# Altium PCB Copy of drac_v3.PcbDoc (part 2 of 5)
Units mm, origin at the board's own origin, x right, y up, seen from the top; angles counter-clockwise.
Board outline 160 x 214.5 mm, 6 copper layers (Top Layer, Mid Layer 1, Mid Layer 2, Mid Layer 3, Mid Layer 4, Bottom Layer), stack 1.597 mm thick; 433 components, 257 nets, 1445 pads, 774 vias.
Unrouted connection lines stored in the file: 474.
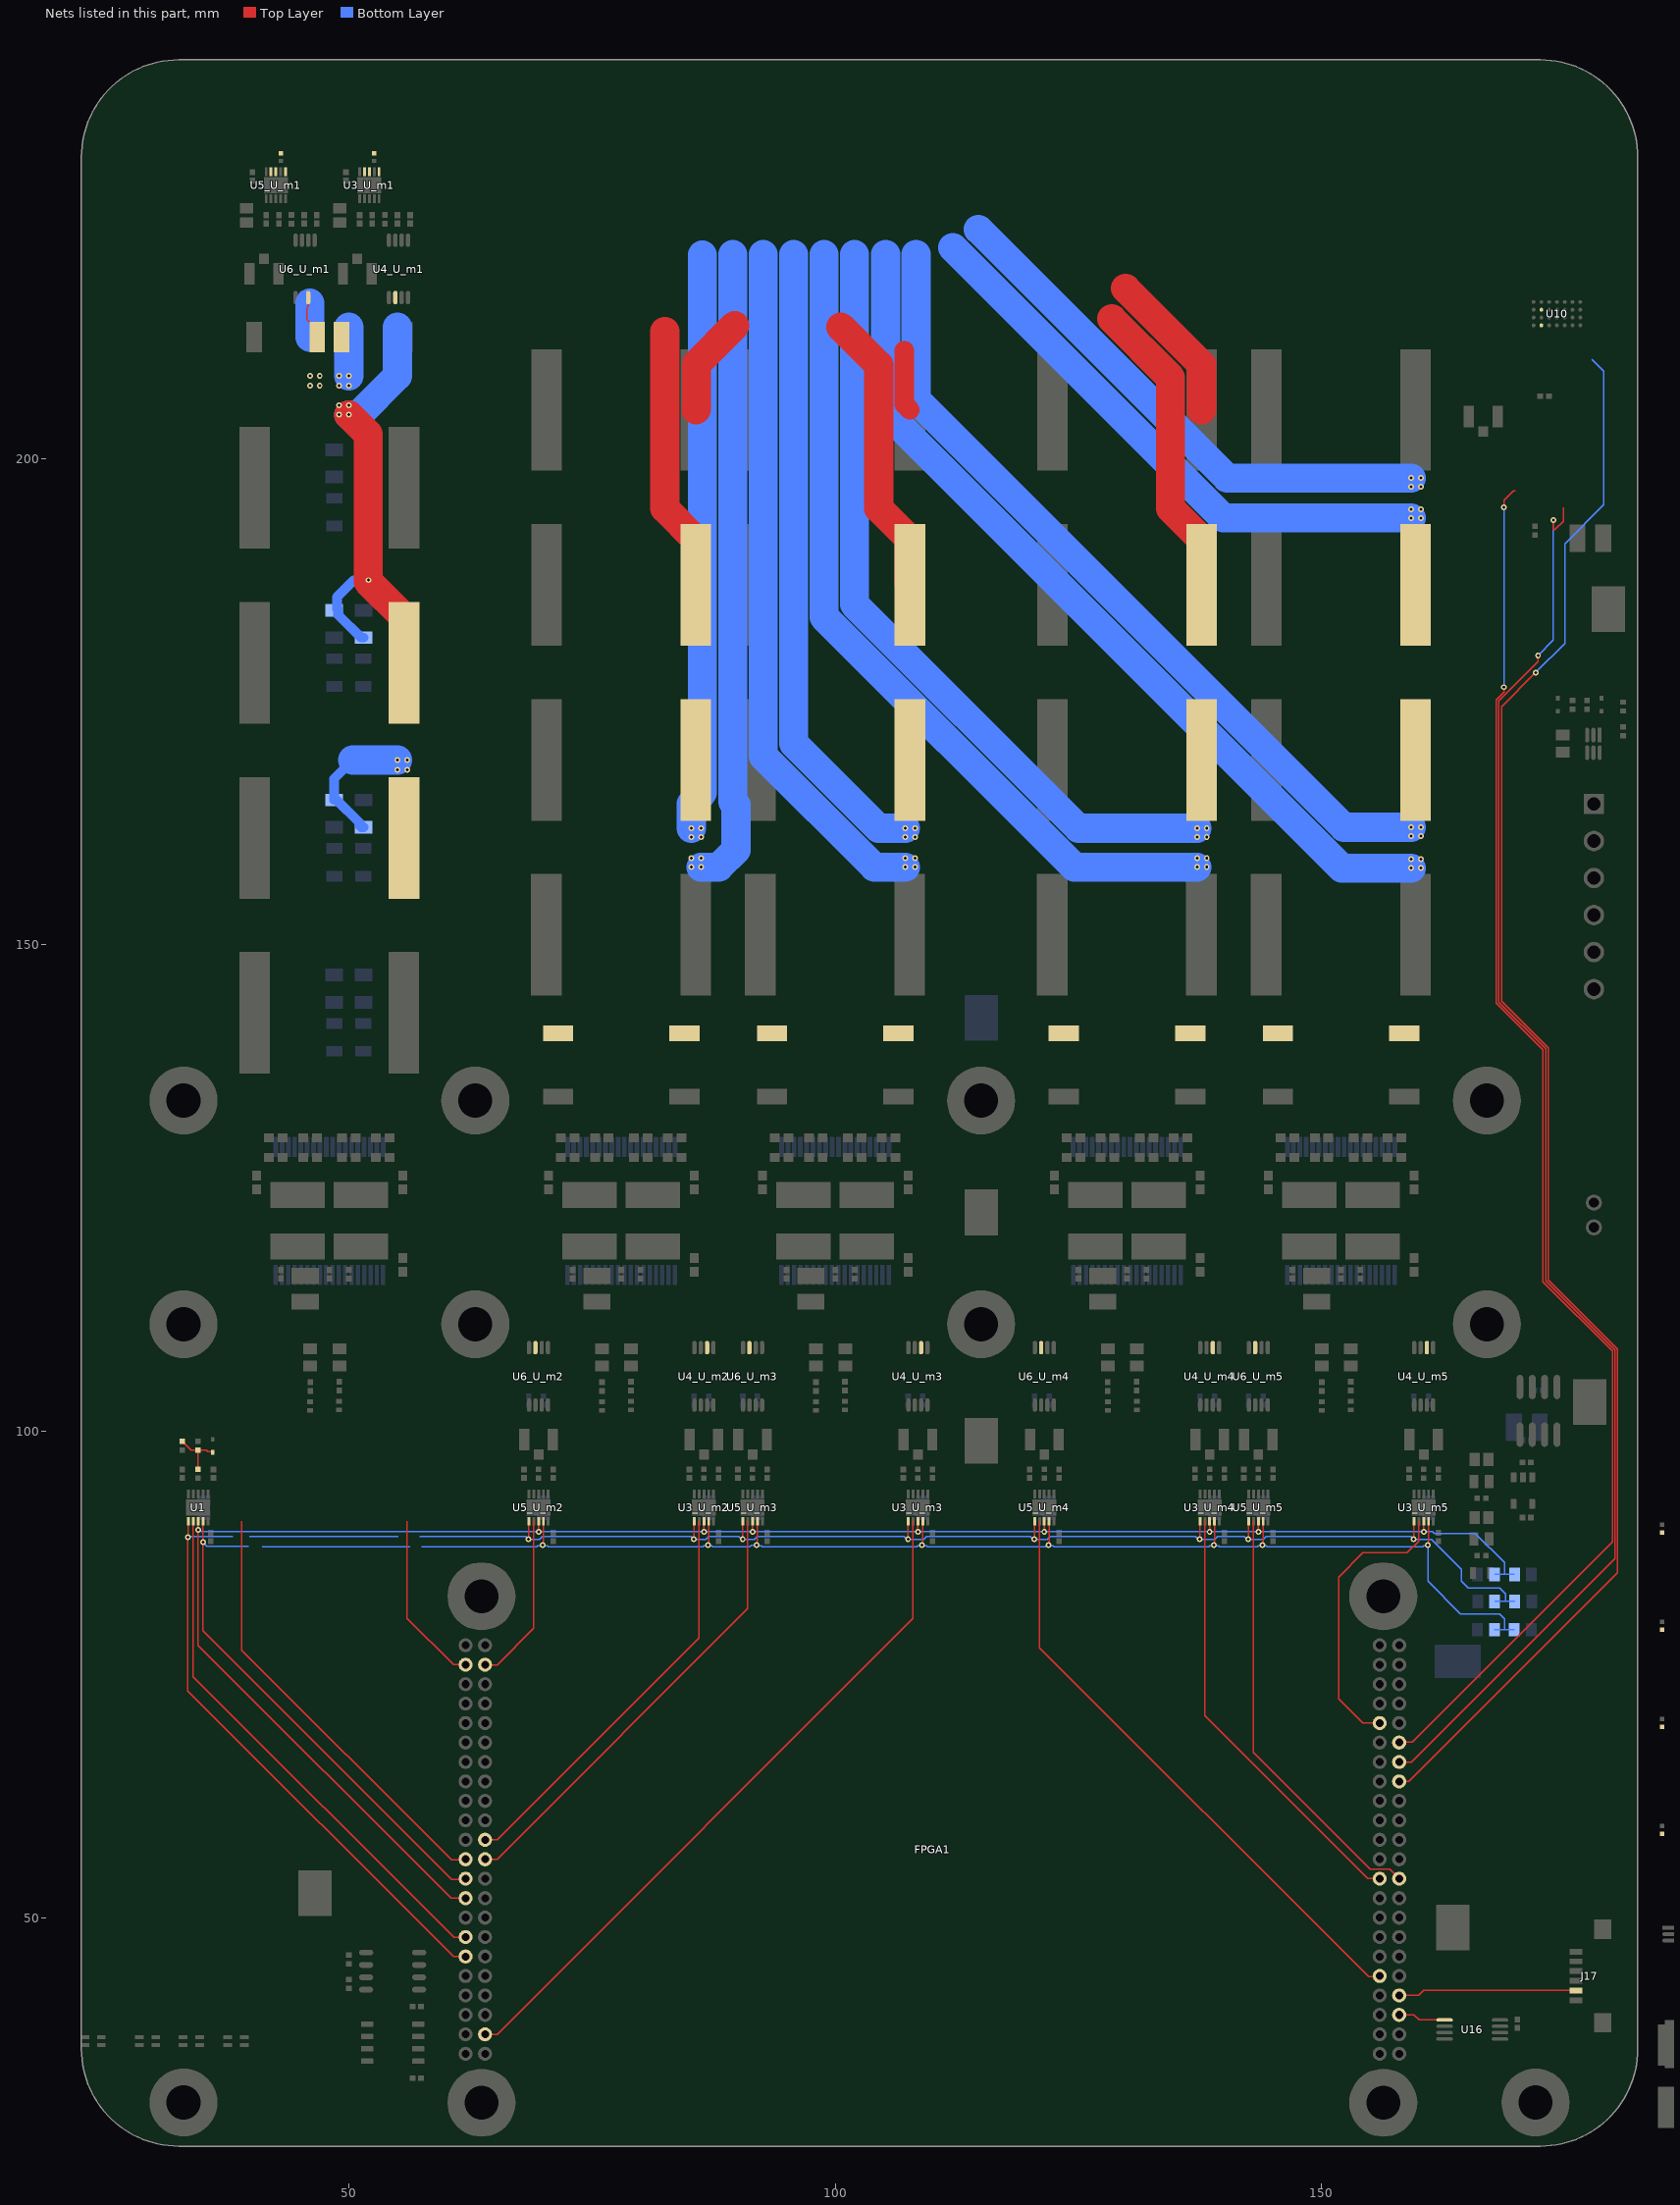
[diagram p4: the nets of this part, all layers, seen from the top]

## Footprints (in the part's own frame and the unit in brackets; to place one, negate y for a bottom-side part, rotate by r counter-clockwise, add the part's x,y. Pads: shape width x height; smd on the part's side, far side on the other; paste and mask are expansions set on the pad) (continued)
DKD0036A_N [mm] "SOP, 36-Leads, Body 16x11.1mm, Pitch 0.65mm, IPC Medium Density"
  rrect22% 2.05x0.45 smd: 1(-6.575,5.525) 2(-6.575,4.875) 3(-6.575,4.225) 4(-6.575,3.575) 5(-6.575,2.925) 6(-6.575,2.275) 7(-6.575,1.625) 8(-6.575,0.975) 9(-6.575,0.325) 10(-6.575,-0.325) 11(-6.575,-0.975) 12(-6.575,-1.625) 13(-6.575,-2.275) 14(-6.575,-2.925) 15(-6.575,-3.575) 16(-6.575,-4.225) 17(-6.575,-4.875) 18(-6.575,-5.525)
  rrect20% 2.05x0.5 smd: 19(6.575,-5.525) 20(6.575,-4.875) 21(6.575,-4.225) 22(6.575,-3.575) 23(6.575,-2.925) 24(6.575,-2.275) 25(6.575,-1.625) 26(6.575,-0.975) 27(6.575,-0.325) 28(6.575,0.325) 29(6.575,0.975) 30(6.575,1.625) 31(6.575,2.275) 32(6.575,2.925) 33(6.575,3.575) 34(6.575,4.225) 35(6.575,4.875) 36(6.575,5.525)
  silkscreen extent -6.7,-8 5.15,8, body extent -5.55,-8 5.55,8, height 3.6
FP-0154-MFG [mil]
  rect 167x150 smd paste+0 mask+0: 1(-125.5,0) 2(125.5,0)
  silkscreen extent -192,-99 192,99, body extent -213,-103 213,103, height 10
FP-BGA-28-05-08-1517-MFG [mm]
  round 0.4 smd paste+0 mask+0: A1(-1.2,2.4) A2(-0.4,2.4) A3(0.4,2.4) A4(1.2,2.4) B1(-1.2,1.6) B2(-0.4,1.6) B3(0.4,1.6) B4(1.2,1.6) C1(-1.2,0.8) C2(-0.4,0.8) C3(0.4,0.8) C4(1.2,0.8) D1(-1.2,0) D2(-0.4,0) D3(0.4,0) D4(1.2,0) E1(-1.2,-0.8) E2(-0.4,-0.8) E3(0.4,-0.8) E4(1.2,-0.8) F1(-1.2,-1.6) F2(-0.4,-1.6) F3(0.4,-1.6) F4(1.2,-1.6) G1(-1.2,-2.4) G2(-0.4,-2.4) G3(0.4,-2.4) G4(1.2,-2.4)
  silkscreen extent -3.15,-3.2 2.07,3.2, body extent -2.58,-3.7 2.58,3.7, height 0.25
FP-BLM21-0_2-t0_85-e0_5-MFG [mm]
  rect 0.6x1.25 smd paste+0 mask+0: 1(-0.9,0) 2(0.9,0)
  silkscreen extent -0.23,-0.72 0.23,0.72, body extent -1.3,-0.82 1.3,0.82, height 0.25
FP-CL21-IPC_C [mm]
  rect 1.055x1.356 smd paste+0 mask+0: 1(-0.726,0) 2(0.726,0)
  silkscreen extent -1.25,-1.12 1.25,1.12, body extent -1,-0.62 1,0.63, height 1.45
FP-CL32-IPC_B [mm]
  rect 1.653x2.804 smd paste+0 mask+0: 1(-1.325,0) 2(1.325,0)
  silkscreen extent -0.2,-1.4 0.2,1.4, body extent -2.4,-1.65 2.4,1.65, height 0.25
FP-CRCW0402-e3-IPC_B [mm]
  rect 0.568x0.572 smd paste+0 mask+0: 1(-0.452,0) 2(0.452,0)
  body extent -0.89,-0.44 0.89,0.44, height 0.25
FP-CRCW0805-HPe3-IPC_B [mm]
  rect 1.106x1.408 smd paste+0 mask+0: 1(-0.876,0) 2(0.876,0)
  body extent -1.68,-0.95 1.68,0.95, height 0.25
FP-G6K-2G_DC5-MFG [mm]
  rect 0.8x1.8 smd paste+0 mask+0: 1(-3.81,-2.85) 2(-1.27,-2.85) 3(1.27,-2.85) 4(3.81,-2.85) 5(3.81,2.85) 6(1.27,2.85) 7(-1.27,2.85) 8(-3.81,2.85)
  silkscreen extent -5.82,-3.35 5.1,3.35, body extent -5.2,-3.85 5.2,3.85, height 0.25
FP-GRM155-0_05-IPC_B [mm]
  rect 0.615x0.572 smd paste+0 mask+0: 1(-0.429,0) 2(0.429,0)
  body extent -0.89,-0.44 0.89,0.44, height 0.25
FP-GRM188-0_1-e0_2_0_55-IPC_B [mm]
  rect 1.008x0.912 smd paste+0 mask+0: 1(-0.702,0) 2(0.702,0)
  body extent -1.46,-0.71 1.46,0.71, height 0.25
FP-KRM55W-6_1_5_3_6_7_1_2-MFG [mm]
  rect 2.7x5.6 smd paste+0 mask+0: 1(-2.65,0) 2(2.65,0)
  silkscreen extent -0.92,-2.75 0.92,2.75, body extent -4.1,-2.9 4.1,2.9, height 0.25
FP-LTST-S270KGKT-MFG [mm]
  rect 1.1x1.1 smd paste+0 mask+0: 1(-1,-0.235) 2(1,-0.235)
  silkscreen extent -2.25,-0.63 0.87,0.77, body extent -0.82,-0.49 0.82,0.66, height 0.6
FP-SOT363-IPC_A [mm]
  rect 1.51x0.412 smd paste+0 mask+0: 1(-0.901,0.65)
  rrect100% 1.51x0.412 smd paste+0 mask+0: 2(-0.901,0) 3(-0.901,-0.65) 4(0.901,-0.65) 5(0.901,0) 6(0.901,0.65)
  silkscreen extent -2.78,-1.33 1.05,1.33, body extent -2.16,-1.58 2.16,1.58, height 0.25
FPGA-dummy [mil]
  round 57 / inner round 52 / far side round 57 hole 32: 1(14.37,1851.77) 2(-64.37,1851.77) 3(14.37,1773.03) 4(-64.37,1773.03) 5(14.37,1694.29) 6(-64.37,1694.29) 7(14.37,1615.55) 8(-64.37,1615.55) 9(14.37,1536.81) 10(-64.37,1536.81) 11(14.37,1458.07) 12(-64.37,1458.07) 13(14.37,1379.33) 14(-64.37,1379.33) 15(14.37,1300.59) 16(-64.37,1300.59) 17(14.37,1221.85) 18(-64.37,1221.85) 19(14.37,1143.11) 20(-64.37,1143.11) 21(14.37,1064.37) 22(-64.37,1064.37) 23(14.37,985.63) 24(-64.37,985.63) 25(14.37,906.89) 26(-64.37,906.89) 27(14.37,828.15) 28(-64.37,828.15) 29(14.37,749.41) 30(-64.37,749.41) 31(14.37,670.67) 32(-64.37,670.67) 33(14.37,591.93) 34(-64.37,591.93) 35(14.37,513.19) 36(-64.37,513.19) 37(14.37,434.45) 38(-64.37,434.45) 39(14.37,355.71) 40(-64.37,355.71) 41(14.37,276.97) 42(-64.37,276.97) 43(14.37,198.23) 44(-64.37,198.23) 45(3714.37,1851.77) 46(3635.63,1851.77) 47(3714.37,1773.03) 48(3635.63,1773.03) 49(3714.37,1694.29) 50(3635.63,1694.29) 51(3714.37,1615.55) 52(3635.63,1615.55) 53(3714.37,1536.81) 54(3635.63,1536.81) 55(3714.37,1458.07) 56(3635.63,1458.07) 57(3714.37,1379.33) 58(3635.63,1379.33) 59(3714.37,1300.59) 60(3635.63,1300.59) 61(3714.37,1221.85) 62(3635.63,1221.85) 63(3714.37,1143.11) 64(3635.63,1143.11) 65(3714.37,1064.37) 66(3635.63,1064.37) 67(3714.37,985.63) 68(3635.63,985.63) 69(3714.37,906.89) 70(3635.63,906.89) 71(3714.37,828.15) 72(3635.63,828.15) 73(3714.37,749.41) 74(3635.63,749.41) 75(3714.37,670.67) 76(3635.63,670.67) 77(3714.37,591.93) 78(3635.63,591.93) 79(3714.37,513.19) 80(3635.63,513.19) 81(3714.37,434.45) 82(3635.63,434.45) 83(3714.37,355.71) 84(3635.63,355.71) 85(3714.37,276.97) 86(3635.63,276.97) 87(3714.37,198.23) 88(3635.63,198.23)
  silkscreen extent -95,316 3754,1891, body extent -104,158 3753,1891, height 236
HDR-2x1-100 [mil]
  round 65 / inner round 60 / far side round 75 hole 40: 1(-50,0) 2(50,0)
  silkscreen extent -100,-115 100,115
MOLX-22-23-2031_V [mm] "CONN, 3-Leads, Body 7.62x6.35mm, Pitch 2.54mm"
  rect 1.55x1.55 hole 1.05: 1(-2.54,0)
  round 1.55 hole 1.05: 2(0,0) 3(2.54,0)
  silkscreen extent -4.58,-3.17 3.81,3.17, body extent -3.73,-3.25 3.73,3.1, height 10.67
MURA-IND0805_H_0.55_L [mm] "Chip Inductor, 2-Leads, Body 2.2x1.45mm, IPC High Density"
  rect 0.93x1.37 smd: 1(-0.785,0) 2(0.785,0)
  body extent -1.1,-0.72 1.1,0.72, height 0.55
ONSC-SMC-2-403-03_V [mil] "Molded, 2-Leads, Body 6.86x5.84mm"
  rect 110x150 smd: 1(-140.49,0) 2(140.49,0)
  silkscreen extent -222,-115 135,115, body extent -135,-115 135,115, height 99
ONSC-SOD-523-2-502-01_V [mm] "SOD, 2-Leads, Body 1.2x0.8mm"
  rect 0.48x0.4 smd: 1(-0.66,0) 2(0.66,0)
  silkscreen extent -0.75,-0.4 0.07,0.65, body extent -0.6,-0.4 0.6,0.4, height 0.7
PW0008A_N [mm]
  oval 1.4x0.45 smd: 1(-2.95,0.975) 2(-2.95,0.325) 3(-2.95,-0.325) 4(-2.95,-0.975) 5(2.95,-0.975) 6(2.95,-0.325) 7(2.95,0.325) 8(2.95,0.975)
  silkscreen extent -3.07,-1.55 1.85,1.87, body extent -3.23,-1.5 3.23,1.5, height 1.2
RESC1005X40X25LL05T05 [mm] "Chip Resistor, 2-Leads, Body 1.00x0.50mm, IPC High Density"
  rect 0.45x0.45 smd: 1(-0.4,0) 2(0.4,0)
  body extent -0.53,-0.27 0.53,0.28, height 0.4
RESC3216X70X50NL05T20 [mm] "Chip Resistor, 2-Leads, Body 3.20x1.60mm, IPC Medium Density"
  rect 1.1x1.65 smd: 1(-1.425,0) 2(1.425,0)
  silkscreen extent -0.5,-0.72 0.5,0.72, body extent -1.63,-0.82 1.62,0.82, height 0.7
ROHM-SML-P11MT_V [mm] "SMD, 2-Leads, Body 0.6x1mm"
  rect 0.5x0.6 smd: 1(-0.45,0) 2(0.45,0)
  silkscreen extent 1.2,-0.3 1.2,0.3, body extent -0.5,-0.3 0.5,0.3, height 0.25
SOIC127P600X175-8N [mm]
  oval 1.45x0.6 smd: 1(-2.725,1.905) 2(-2.725,0.635) 3(-2.725,-0.635) 4(-2.725,-1.905) 5(2.725,-1.905) 6(2.725,-0.635) 7(2.725,0.635) 8(2.725,1.905)
  silkscreen extent -2.85,-2.5 1.6,2.88, body extent -2,-2.5 2,2.5, height 1.75
SRP1770TA [mm] "Precision Wire Wound Inductor, 2-Leads, Body 16.90x16.90mm, IPC Medium Density"
  rect 3.15x12.5 smd: 1(-7.675,0) 2(7.675,0)
  silkscreen extent -8.45,-8.45 8.45,8.45, body extent -8.45,-8.45 8.45,8.45, height 7
"STACKPOLE CSR2512" [mm] "Chip Resistor, 2-Leads, Body 6.40x3.20mm, IPC Medium Density"
  rect 1.6x3.1 smd: 1(-3.25,0) 2(3.25,0)
  silkscreen extent -4.3,-1.8 4.3,1.8, body extent -3.27,-1.6 3.28,1.6, height 0.5
TECO-1909763-1_V [mm] "SMD, 3-Leads, Body 2.6x2.6mm, Height 1.25mm"
  rect 1.05x2.2 smd: 1(-1.475,0) 3(1.475,0)
  rect 1x1.05 smd: 2(0,-1.525)
  silkscreen extent -1.9,-1.77 0.55,1.3, body extent -1.5,-1.55 1.5,1.55, height 1.23
Testpoint_Keystone_Compact [mil]
  rect 185x135 smd: 1(0,0)
  silkscreen extent -110,-80 110,80, body extent -75,-56 75,56, height 91
TSSOP-ST8_N [mm] "TSOP, 8-Leads, Body 3x4.4mm, Pitch 0.65mm, IPC Medium Density"
  oval 1.7x0.35 smd: 1(-2.85,0.975) 2(-2.85,0.325) 3(-2.85,-0.325) 4(-2.85,-0.975) 5(2.85,-0.975) 6(2.85,-0.325) 7(2.85,0.325) 8(2.85,0.975)
  silkscreen extent -2.97,-1.55 1.6,1.82, body extent -2.25,-1.55 2.25,1.55, height 1.2
VISH-DO-214AC-2_L [mm] "DO-214AC, 2-Leads, Body 4.5x2.79mm, IPC High Density"
  rect 2.05x1.45 smd: 1(-1.425,0) 2(1.425,0)
  silkscreen extent -3.12,-1.4 2.25,1.4, body extent -2.25,-1.4 2.25,1.4, height 2.29
WE-CNSW-0805 [mm] "SMD Inductor, 4-Leads, Body 1.4 x 2.2 mm"
  rect 0.9x0.4 smd: 1(-0.85,0.4) 2(0.85,0.4) 3(0.85,-0.4) 4(-0.85,-0.4)
  body extent -1,-0.6 1,0.6, height 1.18

## Part data
C1 C2 C3 C9_U_m1 C9_U_m2 C9_U_m3 C9_U_m4 C9_U_m5 C10_U_m1 C10_U_m2 C10_U_m3 C10_U_m4 C10_U_m5 C11_U_m1 C11_U_m2 C11_U_m3 C11_U_m4 C11_U_m5 C12_U_m1 C12_U_m2 C12_U_m3 C12_U_m4 C12_U_m5 C13_U_m1 C13_U_m2 C13_U_m3 C13_U_m4 C13_U_m5 C19_U_m1 C19_U_m2 C19_U_m3 C19_U_m4 C19_U_m5 C20_U_m1 C20_U_m2 C20_U_m3 C20_U_m4 C20_U_m5 C29_U_m1 C29_U_m2 C29_U_m3 C29_U_m4 C29_U_m5 C30_U_m1 C30_U_m2 C30_U_m3 C30_U_m4 C30_U_m5 C31_U_m1 C31_U_m2 C31_U_m3 C31_U_m4 C31_U_m5 C32_U_m1 C32_U_m2 C32_U_m3 C32_U_m4 C32_U_m5 C34_U_m1 C34_U_m2 C34_U_m3 C34_U_m4 C34_U_m5 C35 C36 C53: library part 04023C104KAT2A, "CAP CER 0.1UF 25V X7R 0402", Device Package="0402 (1005 Metric)", Manufacturer="AVX Corporation", Operating Temperature="-55°C ~ 125°C", Supplier Part Number 1=478-7868-1-ND, Temperature Coefficient=X7R, Tolerance=±10%, Voltage - Rated=25V, Applications="General Purpose", Capacitance=0.1µF, ComponentLink1Description=Datasheet, ComponentLink1URL=http://datasheets.avx.com/X7RDielectric.pdf, ComponentLink2Description="DigiKey Link", ComponentLink2URL=http://digikey.com/product-detail/en/avx-corporation/04023C104KAT2A/478-7868-1-ND/3881491, LastUpdated="9/2/2020 1:02:21 AM", Lifecycle Status=Active, Minimum Order=1, Mounting Type="Surface Mount, MLCC", Package / Case="0402 (1005 Metric)", Packaging=CutTape, Part Number=04023C104KAT2A, Part Status=Active, PartId=3190, Price=0.13, Series=-, Size / Dimension="0.039\" L x 0.020\" W (1.00mm x 0.50mm)", Supplier 1=DigiKey, Thickness (Max)="0.022\" (0.55mm)"
C4 C14_U_m1 C14_U_m2 C14_U_m3 C14_U_m4 C14_U_m5 C33_U_m1 C33_U_m2 C33_U_m3 C33_U_m4 C33_U_m5 C37 C38: library part CMP-13271-001427-1, "CL21 Series 0805 10uF 6.3V ±10% Tolerance X7R Multilayer Ceramic Chip Capacitor", Capacitance=10uF, Case Code (Imperial)=0805, Case Code (Metric)=2012, Dielectric=X7R, Max Operating Temperature=125°C, Min Operating Temperature=-55°C, Package Quantity=3000, Tolerance=10%, Voltage=6.3V, Case/Package=0805, Depth=1.25mm, Height=1.25mm, Lead Free="Lead Free", Length=2mm, Mount="Surface Mount", Packaging="Tape and Reel", Thickness=0.055inch, Voltage Rating=6.3V, Width=0.049inch
C5_U_m1 C5_U_m2 C5_U_m3 C5_U_m4 C5_U_m5 C6_U_m1 C6_U_m2 C6_U_m3 C6_U_m4 C6_U_m5 C7_U_m1 C7_U_m2 C7_U_m3 C7_U_m4 C7_U_m5 C8_U_m1 C8_U_m2 C8_U_m3 C8_U_m4 C8_U_m5 C21_U_m1 C21_U_m2 C21_U_m3 C21_U_m4 C21_U_m5 C22_U_m1 C22_U_m2 C22_U_m3 C22_U_m4 C22_U_m5 C23_U_m1 C23_U_m2 C23_U_m3 C23_U_m4 C23_U_m5 C24_U_m1 C24_U_m2 C24_U_m3 C24_U_m4 C24_U_m5: library part 06031C104KAT2A, "CAP CER 0.1UF 100V X7R 0603", Device Package="0603 (1608 Metric)", Manufacturer="AVX Corporation", Operating Temperature="-55°C ~ 125°C", Supplier Part Number 1=478-10047-1-ND, Temperature Coefficient=X7R, Tolerance=±10%, Voltage - Rated=100V, Applications="General Purpose", Capacitance=0.1µF, ComponentLink1Description=Datasheet, ComponentLink1URL=http://datasheets.avx.com/X7RDielectric.pdf, ComponentLink2Description="DigiKey Link", ComponentLink2URL=http://digikey.com/product-detail/en/avx-corporation/06031C104KAT2A/478-10047-1-ND/6564270, LastUpdated="9/2/2020 1:03:14 AM", Lifecycle Status=Active, Minimum Order=1, Mounting Type="Surface Mount, MLCC", Package / Case="0603 (1608 Metric)", Packaging=TapeAndReel, Part Number=06031C104KAT2A, Part Status=Active, PartId=14077, Price=0.03, Series=-, Size / Dimension="0.063\" L x 0.032\" W (1.60mm x 0.81mm)", Supplier 1=DigiKey, Thickness (Max)="0.037\" (0.94mm)"
C15_U_m1 C15_U_m2 C15_U_m3 C15_U_m4 C15_U_m5 C16_U_m1 C16_U_m2 C16_U_m3 C16_U_m4 C16_U_m5 C17_U_m1 C17_U_m2 C17_U_m3 C17_U_m4 C17_U_m5: library part TMK107B7105KA-T, "CAP CER 1UF 25V X7R 0603", Device Package="0603 (1608 Metric)", Manufacturer="Taiyo Yuden", Operating Temperature="-55°C ~ 125°C", Supplier Part Number 1=587-2984-1-ND, Temperature Coefficient=X7R, Tolerance=±10%, Voltage - Rated=25V, Applications="General Purpose", Capacitance=1µF, ComponentLink1Description=Datasheet, ComponentLink1URL=https://www.yuden.co.jp/productdata/catalog/mlcc01_e.pdf, ComponentLink2Description="DigiKey Link", ComponentLink2URL=http://digikey.com/product-detail/en/taiyo-yuden/TMK107B7105KA-T/587-2984-1-ND/2714177, LastUpdated="9/2/2020 1:03:30 AM", Lifecycle Status=Active, Minimum Order=1, Mounting Type="Surface Mount, MLCC", Package / Case="0603 (1608 Metric)", Packaging=TapeAndReel, Part Number=TMK107B7105KA-T, Part Status=Active, PartId=5586, Price=0.01, Series=M, Size / Dimension="0.063\" L x 0.031\" W (1.60mm x 0.80mm)", Supplier 1=DigiKey, Thickness (Max)="0.035\" (0.90mm)"
C18_U_m1 C18_U_m2 C18_U_m3 C18_U_m4 C18_U_m5 C27 C50: library part CMP-13271-003818-1, "Cap Ceramic 22uF 16V X7R ±20% SMD 1210 +125°C Embossed T/R", Capacitance=22uF, Case Code (Imperial)=1210, Case Code (Metric)=3225, Dielectric=X7R, Max Operating Temperature=125°C, Min Operating Temperature=-55°C, Package Quantity=1, Tolerance=20%, Voltage Rating=16V, Case/Package=1210, Depth=2.5mm, Height=2.5mm, Length=3.2mm, Mount="Surface Mount", Packaging="Tape and Reel", Radiation Hardening=No, Thickness=0.106inch, Width=0.098inch
C25_U_m1 C25_U_m2 C25_U_m3 C25_U_m4 C25_U_m5 C26_U_m1 C26_U_m2 C26_U_m3 C26_U_m4 C26_U_m5: library part CMP-06035-003571-1, "CAP CER 22UF 100V X7R SMD", Capacitance=22uF, Case/Package=SMD/SMT, Max Operating Temperature=125°C, Min Operating Temperature=-55°C, Tolerance=20%, Voltage Rating=100V, Lead/Base Style=J-Lead, Mount="Surface Mount", Packaging="Cut Tape", Supplier 1="Arrow Electronics", Supplier Part Number 1=KRM55WR72A226MH01L
C28_U_m1 C28_U_m2 C28_U_m3 C28_U_m4 C28_U_m5 C39_U_m1 C39_U_m2 C39_U_m3 C39_U_m4 C39_U_m5 C42_U_m1 C42_U_m2 C42_U_m3 C42_U_m4 C42_U_m5 C43_U_m1 C43_U_m2 C43_U_m3 C43_U_m4 C43_U_m5: library part CMP-2000-07542-1, "Chip Capacitor, 2.2 uF, +/- 10%, 100 V, -55 to 125 degC, 1206 (3216 Metric), RoHS, Tape and Reel", Capacitance=2.2uF, Case Code (Imperial)=1206, Case Code (Metric)=3216, Dielectric=X7R, Manufacturer=AVX, Max Operating Temperature=125degC, Min Operating Temperature=-55degC, Package Description="2-Pin Surface Mount Device, Body 3.2 x 1.6 mm", Package Quantity=2500, Tolerance=10%, Voltage=100V, Case\/Package=1206, Datasheet URL=http://datasheets.avx.com/X7RDielectric.pdf, Datasheet Version=03/2017, Depth=1.6mm, Lead Free=LeadFree, Length=3.2mm, Manufacturer URL=http://www.avx.com/, Mount=SurfaceMount, Mounting Technology=SurfaceMount, Package Reference=1206, Packaging=TapeandReel, REACH SVHC=NoSVHC, RoHSCompliant=true, Termination=SMD/SMT, Thickness=0.037inch, Voltage Rating=100V, Voltage Rating (DC)=100V, Width=0.063inch
C40 C41 C47 C49: library part GRM155R70J105KA12J, "CAP CER 1UF 6.3V X7R 0402", Device Package="0402 (1005 Metric)", Manufacturer="Murata Electronics", Operating Temperature="-55°C ~ 125°C", Supplier Part Number 1=490-13339-1-ND, Temperature Coefficient=X7R, Tolerance=±10%, Voltage - Rated=6.3V, Applications="General Purpose", Capacitance=1µF, ComponentLink1Description=Datasheet, ComponentLink1URL=https://search.murata.co.jp/Ceramy/image/img/A01X/G101/ENG/GRM155R70J105KA12-01.pdf, ComponentLink2Description="DigiKey Link", ComponentLink2URL=http://digikey.com/product-detail/en/murata-electronics/GRM155R70J105KA12J/490-13339-1-ND/5973350, LastUpdated="9/2/2020 1:02:22 AM", Lifecycle Status=Active, Minimum Order=1, Mounting Type="Surface Mount, MLCC", Package / Case="0402 (1005 Metric)", Packaging=TapeAndReel, Part Number=GRM155R70J105KA12J, Part Status=Active, PartId=2890, Price=0.01, Series=GRM, Size / Dimension="0.039\" L x 0.020\" W (1.00mm x 0.50mm)", Supplier 1=DigiKey, Thickness (Max)="0.022\" (0.55mm)"
C44_U_m1 C44_U_m2 C44_U_m3 C44_U_m4 C44_U_m5 C45_U_m1 C45_U_m2 C45_U_m3 C45_U_m4 C45_U_m5 C46_U_m1 C46_U_m2 C46_U_m3 C46_U_m4 C46_U_m5 C48_U_m1 C48_U_m2 C48_U_m3 C48_U_m4 C48_U_m5: library part CMP-1037-04728-2, "Chip Capacitor, 1 uF, +/- 10%, 100 V, -55 to 125 degC, 1206 (3216 Metric), RoHS, Tape and Reel", Capacitance=1µF, Case Size/Dimension=1206, Dielectric=X7R, Manufacturer=AVX, Package Description="2-Pin Surface Mount Device, Body 3.2 x 1.6 mm", Rated Voltage=100V, Tolerance (%)=±10%, Datasheet URL=http://datasheets.avx.com/X7RDielectric.pdf, Datasheet Version=07/2016, Manufacturer URL=http://www.avx.com/, Mounting Technology=SurfaceMount, Package Reference=1206
D1_U_m1 D1_U_m2 D1_U_m3 D1_U_m4 D1_U_m5 D2_U_m1 D2_U_m2 D2_U_m3 D2_U_m4 D2_U_m5 D3: "LED ORANGE CLEAR CHIP SMD", Case Code (Imperial)=0402, Case Code (Metric)=1005, Color=Orange, Forward Current=20mA, Forward Voltage=2.1V, Lens Color=Clear, Manufacturer=Kingbright, Manufacturer Part Number=APHHS1005SECK, Max Operating Temperature=85°C, Min Operating Temperature=-40°C, Package Quantity=2000, Supplier Part Number 1=754-1103-1-ND, Case/Package=0402, Category=LEDs, ComponentLink1Description=https://datasheet.ciiva.com/2114/aphhs1005seck-2114149.pdf?src-supplier=Digi-Key, ComponentLink1URL=https://datasheet.ciiva.com/2114/aphhs1005seck-2114149.pdf?src-supplier=Digi-Key, ComponentLink2Description=https://datasheet.ciiva.com/4688/aphhs1005seck-36485-4688716.pdf?src-supplier=Mouser, ComponentLink2URL=https://datasheet.ciiva.com/4688/aphhs1005seck-36485-4688716.pdf?src-supplier=Mouser, ComponentLink3Description=https://datasheet.ciiva.com/2114/aphhs1005seck-2114150.pdf?src-supplier=Digi-Key, ComponentLink3URL=https://datasheet.ciiva.com/2114/aphhs1005seck-2114150.pdf?src-supplier=Digi-Key, ComponentLink4Description=https://datasheet.ciiva.com/16412/aphhs1005seck-16412186.pdf?src-supplier=Future+Electronics, ComponentLink4URL=https://datasheet.ciiva.com/16412/aphhs1005seck-16412186.pdf?src-supplier=Future+Electronics, ComponentLink5Description=https://datasheet.ciiva.com/2114/aphhs1005seck-2114151.pdf?src-supplier=Digi-Key, ComponentLink5URL=https://datasheet.ciiva.com/2114/aphhs1005seck-2114151.pdf?src-supplier=Digi-Key, Dominant Wavelength=601nm, Height=0.6mm, Illumination Color=Orange, Lead Free="Lead Free", Length=1mm, Lens Style=Clear,Flat, Luminous Intensity=240mcd, Mount="Surface Mount", Number of LEDs=1, Number of Pins=2, Packaging="Tape and Reel", Pricing 1="1=0.49000, 10=0.32500, 100=0.21700, 500=0.15010, 1000=0.12508 (USD)", RoHS=Yes, RoHS Compliant=Yes, Series=APHHS, Stock 1=25673, Supplier 1=Digi-Key, Test Current=20mA, Viewing Angle=120°, Wavelength=601nm, Width=0.5mm
D4 D9 D10 D11: library part CMP-1063-00098-1, "Transient Voltage Suppressor, Micro-Packaged Diode for ESD Protection, 2-Pin SOD-523, Pb-Free, Tape and Reel", Manufacturer="On Semiconductor", Supplier Part Number 1=ESD5Z3.3T1GOSCT-ND, ComponentLink1Description="Manufacturer URL", ComponentLink1URL=http://www.onsemi.com/, ComponentLink2Description=Datasheet, ComponentLink2URL=http://www.onsemi.cn/pub_link/Collateral/ESD5Z2.5T1-D.PDF, ComponentLink3Description="Package Specification", ComponentLink3URL=http://www.onsemi.com/pub_link/Collateral/502-01.PDF, DatasheetVersion="Rev. 10", Direction=Unidirectional, IR Max (uA)=0.05, Mounting Technology="Surface Mount", Number of Lines=1, PackageDescription="2-Pin SOD, Body 1.2 x 0.8 mm", PackageReference=SOD-523-2-502-01, PackageVersion="Rev. E, 09/2010", Packing="Tape and Reel", PartNumber=ESD5Z3.3T1G, PPK Max (W)=158, RoHS=Pb-Free, Supplier 1=Digi-Key, V(BR) Min (V)=5, VRWM Max (V)=3.3
D5: library part CMP-1061-00550-1, "1500 W Peak Power Zener Transient Voltage Suppressor, Unidirectional, 2-Pin SMC, Pb-Free, Tape and Reel", Manufacturer="On Semiconductor", ComponentLink1Description="Manufacturer URL", ComponentLink1URL=http://www.onsemi.com/, ComponentLink2Description=Datasheet, ComponentLink2URL=http://www.onsemi.com/pub_link/Collateral/1SMC5.0AT3-D.PDF, ComponentLink3Description="Package Specification", ComponentLink3URL=http://www.onsemi.com/pub_link/Collateral/403-03.PDF, DatasheetVersion="Rev. 8", Direction=Unidirectional, IR Max (uA)=5, Mounting Technology="Surface Mount", PackageDescription="2-Pin Small Molded Package, J-Bend Lead, Body 5.845 x 6.855 mm", PackageReference=SMC-2-403-03, PackageVersion="Rev. E, 08/2005", Packing="Tape and Reel", PartNumber=1SMC48AT3G, PPK Max (W)=1500, RoHS=Pb-Free, V(BR) Typ (V)=56.1
D6: library part CMP-0548-00233-2, "Transient Voltage Suppressor, 6.40 to 231 V, 7 V Stand-off Voltage, Uni-Directional, -55 to 155 degC, 2-pin DO-214AC, Pb-Free, Tape and Reel", Manufacturer="Vishay Semiconductor", Operating Junction and Storage Temperature Range="-55 to 150 degC", ComponentLink1Description="Manufacturer URL", ComponentLink1URL=http://www.vishay.com/, ComponentLink2Description=Datasheet, ComponentLink2URL=http://www.vishay.com/docs/88390/smaj50a.pdf, ComponentLink3Description="Package Specification", ComponentLink3URL=http://www.vishay.com/docs/88390/smaj50a.pdf, DatasheetVersion=12/8/2013, ID (uA)=200, IFSM="40 A", Mounting Technology="Surface Mount", PackageDescription="2-Pin DO-214AC (SMA), Body 4.245 x 2.665 mm", PackageReference=DO-214AC-2, Packing="Tape and Reel", PartNumber=SMAJ7.0A-E3/61, PPPM (W)="400, 300", RoHS=TRUE, VBR Uni-Directional (V)="6.4 to 231", VWM (V)=7
D12 D13 D14 D15: library part CMP-2000-06629-2, "LED GREEN CLEAR CHIP SMD R/A", Case Code (Imperial)=0603, Case Code (Metric)=1608, Color=Green, Forward Current=30mA, Forward Voltage=2V, Lens Color=Colorless, Max Operating Temperature=85°C, Min Operating Temperature=-55°C, Package Quantity=1, Power Dissipation=75mW, Reverse Voltage=5V, Supplier Part Number 1=160-1478-1-ND, Test Current=20mA, Case/Package=0603, Depth=0.6mm, Dominant Wavelength=571nm, Height=0.6mm, Illumination Color=Green, Lead Free="Lead Free", Length=1.6mm, Lens Style=Diffused, Lens Transparency=Clear, Luminous Intensity=71mcd, Mount="Surface Mount", Number of Elements=1, Number of LEDs=1, Number of Pins=2, Packaging="Tape and Reel", Power Rating=75mW, Radiation Hardening=No, Supplier 1=Digi-Key, Viewing Angle=130°, Wavelength=574nm, Width=1.15mm
F1 F2: library part CMP-08605-000019-1, "FUSE BRD MNT 7A 72VAC 60VDC 2SMD", Fuse Current=7A, Manufacturer="Littelfuse Inc", Max Fuse Ac Voltage=72V, Max Fuse Dc Voltage=60V, Package=0154, Temperature="-55°C to +125°C", Temperature Range High=+125°C, Temperature Range Low=-55°C, Automotive=No, Category=Fuse, ComponentLink2Description=Datasheet, ComponentLink2URL=https://www.littelfuse.com/~/media/electronics/datasheets/fuses/littelfuse_fuse_154_154t_154l_154tl_datasheet.pdf.pdf, Device Class L1="Circuit Protection", Device Class L2=Fuses, Device Class L3=unset, Digikey Description="FUSE BRD MNT 7A 72VAC 60VDC 2SMD", Fuse Blow Speed=Slow, Height=3.81mm, Lead Free=Yes, Manufacturer Part Number=0154007.DRT, Mouser Description="Surface Mount Fuses ACS SMF OMNI-BLOK SB RoHS 7A", Octopart=https://octopart.com/0154007.drt-littelfuse-19644006, RoHS=TRUE
FB1: library part CMP-0686-00665-3, "Chip Ferrite Bead, 0805, 1000Ω @ 100MHz, 0.27Ω, 25%, 600mA", Case Code (Imperial)=0805, Case Code (Metric)=2012, Current Rating=500mA, DC Current=200mA, DC Resistance (DCR)=280mR, Frequency=100MHz, Max Current Rating=600mA, Max Operating Temperature=125°C, Min Operating Temperature=-55°C, Package Quantity=1, Tolerance=25%, Case/Package=0805, Core Material=Ferrite, Depth=1.25mm, Height=0.85mm, Impedance=1kR, Lead Free="Lead Free", Length=2mm, Material=Steel, Max DC Current=200mA, Military Standard=Not, Number of Circuits=1, Number of Lines=1, Number of Pins=2, Packaging="Tape and Reel", Radiation Hardening=No, REACH SVHC="No SVHC", Shielding=Unshielded, Termination=SMD/SMT, Test Frequency=100MHz, Weight=0.000194oz, Width=1.25mm
FPGA1: library part fpga_dummy, ClassName=noclearancecheck
J1_U_m1 J1_U_m2 J1_U_m3 J1_U_m4 J1_U_m5 J2_U_m1 J2_U_m2 J2_U_m3 J2_U_m4 J2_U_m5 J6 J7 J8 J9 J10 J11: library part CMP-2000-07505-1, "Ultra Miniature Coaxial Connector Jack, 60 V, 50 Ohm, -40 to 90 degC, RoHS, Tape and Reel", Case\/Package=SMD/SMT, Dielectric Material=Polymer, Housing Colour=Beige, Manufacturer="TE Connectivity", Max Frequency=6GHz, Max Operating Temperature=90degC, Min Operating Temperature=-40degC, Package Description="3-Pin Surface Mount Device, Body 2.6 x 2.6 mm", Package Quantity=1, Package Reference=TECO-1909763-1, Body Material=LiquidCrystalPolymer, Body Plating=Gold, Connector Type=Jack, Contact Material=CopperAlloy, Contact Plating=Gold, Datasheet URL=http://www.te.com/commerce/DocumentDelivery/DDEController?Action=srchrtrv&DocNm=1909763&DocType=Customer+Drawing&DocLang=English, Datasheet Version="Rev. B2, 11/2015", ELV=Compliant, Fastening Type=Pull, Gender=Female, Impedance=50Ohm, Insulation Material=Thermoplastic, Lead Free=LeadFree, Length=3mm, Manufacturer URL=http://www.te.com/, Mount=SurfaceMount, Mounting Technology=SurfaceMount, Orientation=Straight, Packaging=TapeandReel, PCB Mounting Orientation=Vertical, Radiation Hardening=No, RoHSCompliant=true, Termination=SMD/SMT
J3: library part 618015325223, "WR-DSUB Female High Density Angled PCB Connector without Hex Screw, 15p", Manufacturer="Wurth Electronics", Supplier Part Number 1=732-618015325223-ND, Category="D-Sub Connectors", ComponentLink1Description=Manufacturer, ComponentLink1URL=http://www.we-online.de, ComponentLink2Description=Datasheet, ComponentLink2URL=http://katalog.we-online.de/em/datasheet/6180xx325223.pdf, Manufacturer Part Number=618015325223, PartNumber=618015325223, PinNumber=15, Pricing 1="1=4.02000, 10=3.81000, 50=3.38400, 100=2.95200, 250=2.53200, 500=2.25600 (USD)", Published="June 2016", Publisher="Wurth Elektronik", RoHS=Yes, RoHS Compliant=Yes, Stock 1=157, Supplier 1=Digi-Key
J4: library part CMP-1502-01867-1, "Serie 321 - 3.81mm Vertical PCB Header WR-TBL, 6 pin", Manufacturer="Wurth Elektronik", Operating Temperature=-40to105degC, Datasheet URL=http://katalog.we-online.de/em/datasheet/6913213000xx.pdf, Gender=Male, Manufacturer URL=http://www.we-online.de, Mounting Technology=THT, Package Reference=691321300006, Packaging=Box, Part Number=691321300006, Pin Number=6, Pitch=3.81mm, Publisher=WurthElektronik